# Altium PCB буектополгия.PcbDoc
Units mm, origin at the board's own origin, x right, y up, seen from the top; angles counter-clockwise.
Board outline 101.6 x 71.12 mm, 2 copper layers (Top Layer, Bottom Layer), stack 1.5 mm thick; 54 components, 28 nets, 227 pads, 42 vias.
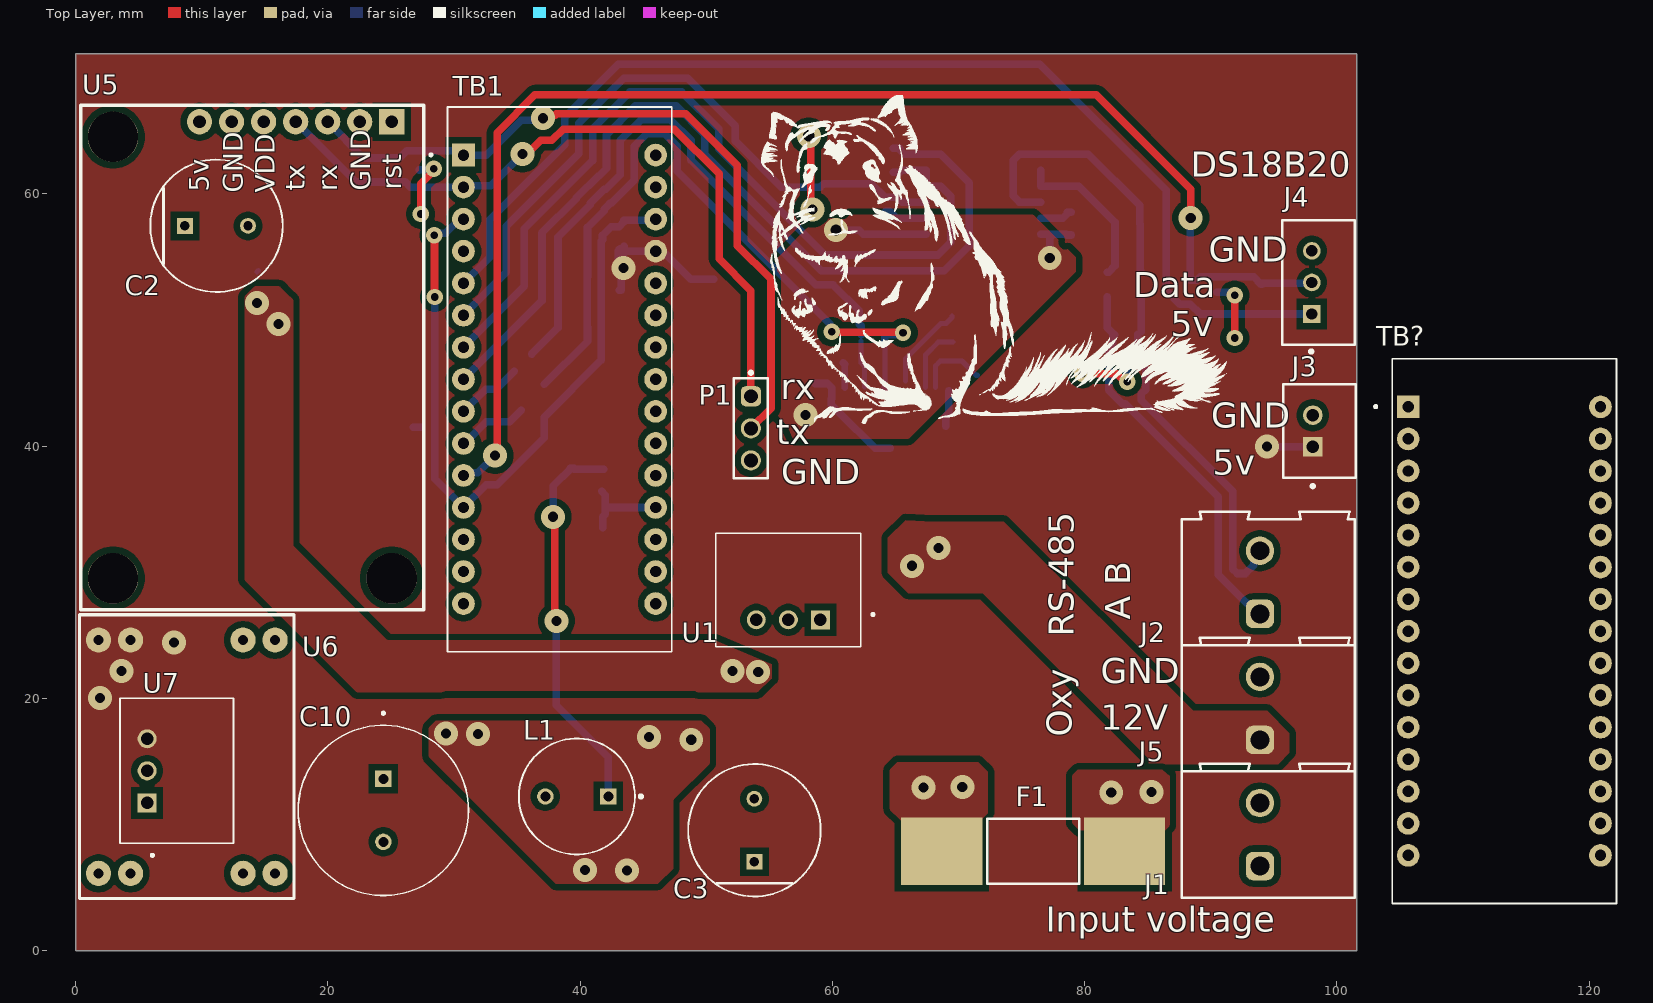
[diagram p0: Top Layer view]
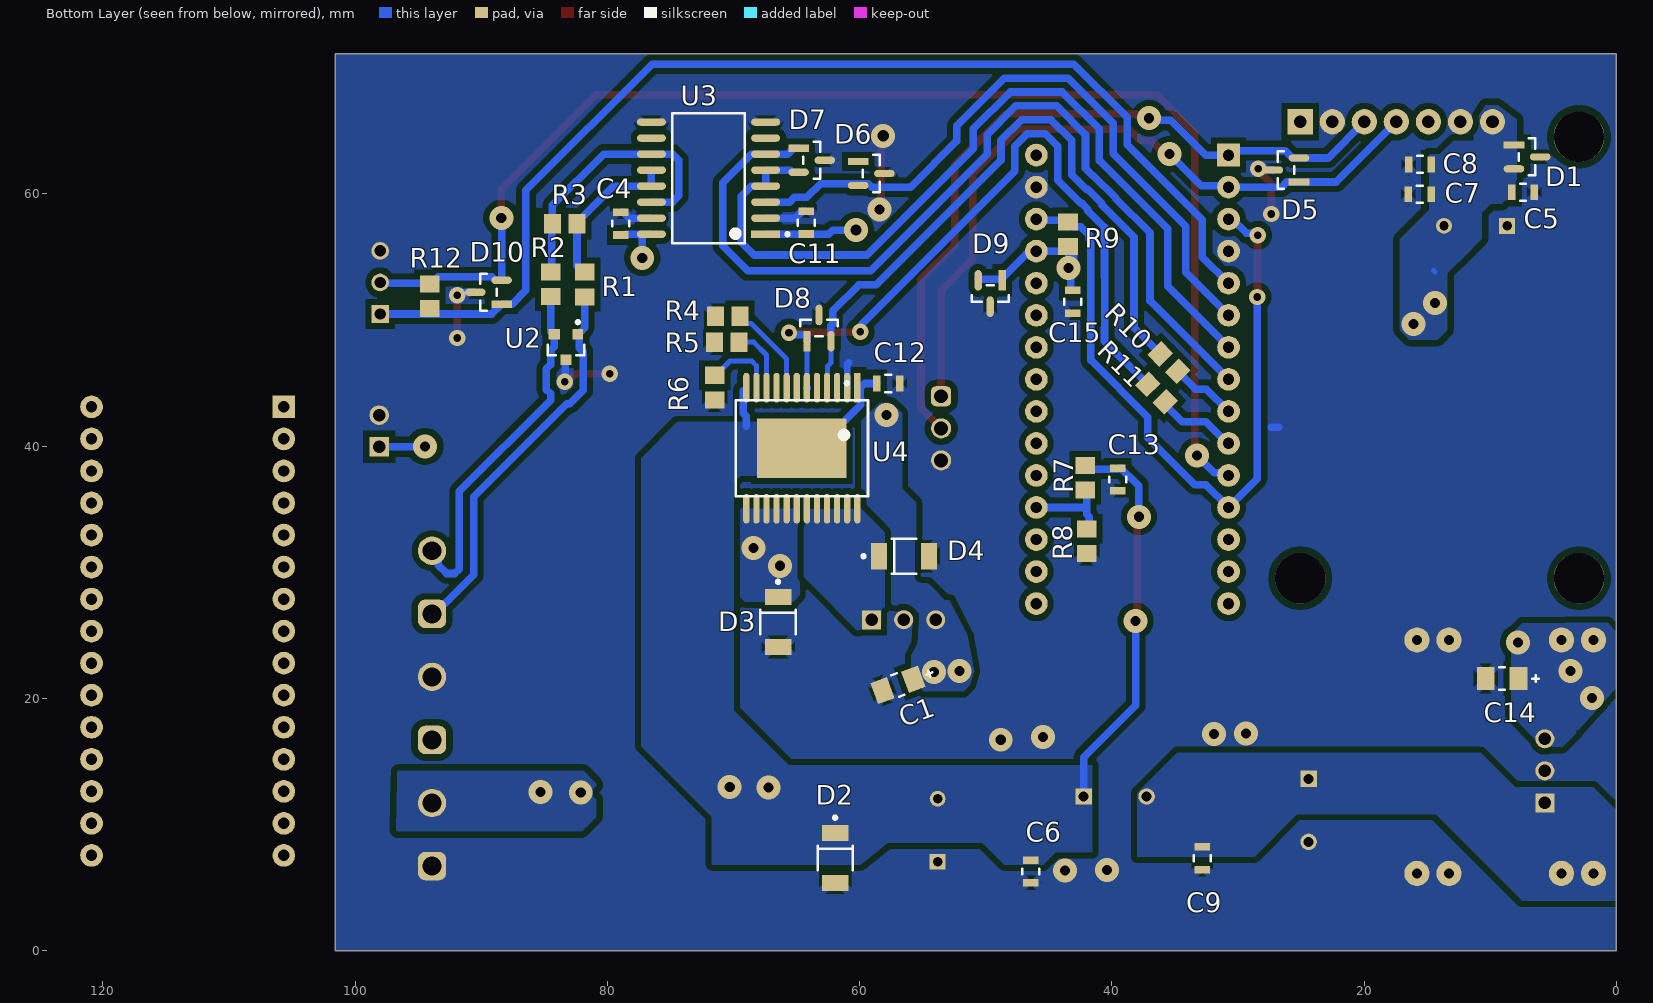
[diagram p1: Bottom Layer view, seen from below]

## Layer stack, top to bottom
Top Layer: signal copper 0.035
Dielectric 1: dielectric 1.43, FR-4, Dk 4.8
Bottom Layer: signal copper 0.035

## Board outline
0,0 0,71.12 101.6,71.12 101.6,0

## Design rules (kind name [scope] priority, off if disabled: settings)
Clearance Clearance_1 [InNetClass('хуй')] p1: gap=0.2 ignorepadtopadclearanceinfootprint=TRUE
Clearance [All] p2: gap=0.5 ignorepadtopadclearanceinfootprint=TRUE
PolygonConnect PolygonConnect_4 [InNet('GND')] p1: thpad.connectstyle=Direct thpad.reliefconductorwidth=0.254 thpad.reliefentries=4 thpad.polygonreliefangle="90 Angle" thpad.airgapwidth=0.254 smdpad.connectstyle=Relief smdpad.reliefconductorwidth=0.7 smdpad.reliefentries=4 smdpad.polygonreliefangle="45 Angle" smdpad.airgapwidth=0.254 via.connectstyle=Direct via.reliefconductorwidth=0.254 via.reliefentries=4 via.polygonreliefangle="90 Angle" via.airgapwidth=0.254
PolygonConnect PolygonConnect_3 [InNetClass('хуй2')] p2: connectstyle=Direct reliefconductorwidth=0.6 reliefentries=4 polygonreliefangle="45 Angle" airgapwidth=0.254
PolygonConnect PolygonConnect_1 [HasFootprint('PCBComponent_1')] p3: thpad.connectstyle=Direct thpad.reliefconductorwidth=0.254 thpad.reliefentries=4 thpad.polygonreliefangle="90 Angle" thpad.airgapwidth=0.254 smdpad.connectstyle=Relief smdpad.reliefconductorwidth=0.254 smdpad.reliefentries=4 smdpad.polygonreliefangle="45 Angle" smdpad.airgapwidth=0.254 via.connectstyle=Relief via.reliefconductorwidth=0.254 via.reliefentries=4 via.polygonreliefangle="45 Angle" via.airgapwidth=0.254
PolygonConnect [All] p4: connectstyle=Relief reliefconductorwidth=0.6 reliefentries=4 polygonreliefangle="90 Angle" airgapwidth=0.254
RoomDefinition хехема [InComponentClass('хехема')] p1: confinementstyle=ConfineIn formatcopy=TRUE lockcomponents=FALSE outline 102.743,1.422 122.58,1.422 122.58,49.86 102.743,49.86
RoutingVias [All] p1: holewidth=0.8 width=1.9 viastyle="Through Hole" minholewidth=0.6 minwidth=1.3 maxholewidth=1.2 maxwidth=2.5
SolderMaskExpansion [All] p1: expansion=0.102 istentingtop=FALSE
Width [All] p1: maxlimit=1 minlimit=0.4 preferedwidth=0.6
30 further rules are at their usual default settings.

## Classes and differential pairs
component class хехема: TB?

## Components (designator, comment, footprint, x,y, rotation, side; value= is the part's Value field where it differs from the comment)
C1 "TAJA226M006RNJ" FP-TAJA-MFG 56.972,21.057 r160 bottom
C2 "250PX33MEFC10X20" FP-250PX33MEFC10X20-MFG 11.176,57.455 r0 top
C3 "250PX33MEFC10X20" FP-250PX33MEFC10X20-MFG 53.823,9.536 r90 top
C4 "GRM21BR61C106KE15L" FP-GRM21B-0_1-MFG 78.943,57.633 r90 bottom
C5 "GRM21BR61C106KE15L" FP-GRM21B-0_1-MFG 7.417,60.122 r180 bottom
C6 "GRM21BR61C106KE15L" FP-GRM21B-0_1-MFG 46.431,6.274 r270 bottom
C7 "GRM21BR61C106KE15L" FP-GRM21B-0_1-MFG 15.596,59.969 r0 bottom
C8 "GRM21BR61C106KE15L" FP-GRM21B-0_1-MFG 15.581,62.332 r0 bottom
C9 "GRM21BR61C106KE15L" FP-GRM21B-0_1-MFG 32.842,7.315 r270 bottom
C10 "UBT1H331MHD8" CAPPRD500W60D1350H2200 24.409,11.114 r270 top value=680uF
C11 "GRM21BR61C106KE15L" FP-GRM21B-0_1-MFG 64.237,57.709 r90 bottom
C12 "GRM21BR61C106KE15L" FP-GRM21B-0_1-MFG 57.734,44.958 r180 bottom
C13 "GRM21BR61C106KE15L" FP-GRM21B-0_1-MFG 39.543,37.355 r270 bottom
C14 "TAJA226M006RNJ" FP-TAJA-MFG 9.068,21.565 r180 bottom
C15 "GRM21BR61C106KE15L" FP-GRM21B-0_1-MFG 43.104,51.435 r270 bottom
D1 "PESD5V2S2UT" FP-6_541-5014_01-4-IPC_A 7.09,62.926 r180 bottom value=35pF
D2 "SMAJ15A" FP-SMA-MFG 61.951,7.337 r270 bottom
D3 "SMAJ12A" FP-SMA-MFG 66.472,26.035 r270 bottom
D4 "SMAJ12A" FP-SMA-MFG 56.493,31.267 r180 bottom
D5 "PESD5V2S2UT" FP-6_541-5014_01-4-IPC_A 26.21,61.885 r0 bottom value=35pF
D6 "PESD5V2S2UT" FP-6_541-5014_01-4-IPC_A 59.083,61.605 r180 bottom value=35pF
D7 "PESD5V2S2UT" FP-6_541-5014_01-4-IPC_A 63.805,62.662 r180 bottom value=35pF
D8 "PESD5V2S2UT" FP-6_541-5014_01-4-IPC_A 63.221,49.352 r90 bottom value=35pF
D9 "PESD5V2S2UT" FP-6_541-5014_01-4-IPC_A 49.657,52.095 r270 bottom value=35pF
D10 "PESD5V2S2UT" FP-6_541-5014_01-4-IPC_A 89.433,52.197 r0 bottom value=35pF
F1 "021502.5MXP" LFUS-0215-20X5_L 75.921,7.874 r180 top
J1 "KSE-103-5.0-02P" 691211720002 94.556,9.198 r90 top
J2 "691211720002" 691211720002 94.556,29.198 r90 top
J3 "B2B-XH-A(LF)(SN)" FP-B2B-XH-A_LF_SN-MFG 98.62,41.193 r90 top
J4 "B3B-XH-A(LF)(SN)" FP-B3B-XH-A_LF_SN-MFG 98.544,52.97 r90 top
J5 "691211720002" 691211720002 94.556,19.198 r90 top
L1 "RLB0914-220KL" FP-RLB0914-MFG 39.751,12.217 r180 top
P1 "61300311121" 61300311121 53.543,41.402 r270 top
R1 "ERJ-6ENF1001V" RESC2013X70X40ML20T20 81.813,52.807 r90 bottom
R2 "ERJ-6ENF1001V" RESC2013X70X40ML20T20 84.48,52.832 r90 bottom
R3 "ERJ-6ENF1001V" RESC2013X70X40ML20T20 83.388,57.633 r180 bottom
R4 "ERJ-6ENF1001V" RESC2013X70X40ML20T20 70.469,50.292 r180 bottom
R5 "ERJ-6ENF1001V" RESC2013X70X40ML20T20 70.536,48.235 r180 bottom
R6 "ERJ-6ENF1001V" RESC2013X70X40ML20T20 71.501,44.638 r90 bottom
R7 "ERJ-6ENF1001V" RESC2013X70X40ML20T20 42.113,37.475 r90 bottom
R8 "ERJ-6ENF1001V" RESC2013X70X40ML20T20 42.012,32.461 r90 bottom
R9 "ERJ-6ENF1001V" RESC2013X70X40ML20T20 43.485,56.794 r270 bottom
R10 "ERJ-6ENF1001V" RESC2013X70X40ML20T20 35.484,46.609 r45 bottom
R11 "ERJ-6ENF1001V" RESC2013X70X40ML20T20 36.474,44.196 r45 bottom
R12 "ERJ-6ENF1001V" RESC2013X70X40ML20T20 94.082,51.867 r270 bottom
TB1 "ARDUINO_NANO" SHIELD_ARDUINO_NANO 38.379,45.288 r0 top
TB? "arduino_nano" arduino_nano 113.284,25.324 r0 top
U1 "P7805-500" CONV_P7805-500 56.515,28.575 r180 top
U2 "PSM712-LF-T7" PRKT-SOT23-3_V 83.287,47.854 r270 bottom
U3 "ADM2484EBRWZ-REEL7" FP-RW-16-IPC_B 71.984,61.239 r0 bottom
U4 "VND5050AKTR-E" FP-DB0024A-IPC_A 64.592,39.827 r270 bottom
U5 "sim800l" PCBComponent_1 25.072,29.516 r90 top
U6 "mp1584" "dcdc 12 - 5" 17.324,4.121 r90 top
U7 "P7805-500" CONV_P7805-500 8.026,14.249 r90 top

## Footprints (in the part's own frame and the unit in brackets; to place one, negate y for a bottom-side part, rotate by r counter-clockwise, add the part's x,y. Pads: shape width x height; smd on the part's side, far side on the other; paste and mask are expansions set on the pad)
61300311121 [mm] "Pin Header, pitch 2.54 mm, THT, Vertical, single row, 3p"
  rrect50% 1.6x1.6 hole 1.1: 1(-2.54,0)
  round 1.6 hole 1.1: 2(0,0) 3(2.54,0)
  silkscreen extent -4.53,-1.35 3.96,1.35, body extent -3.81,-1.27 3.81,1.27, height 8.57
691211720002 [mm] "5,00mm - modular - green -45Ўг entry with rising cage clamp - 02p"
  rrect50% 2.25x2.25 hole 1.5: 1(-2.5,0.65)
  round 2.25 hole 1.5: 2(2.5,0.65)
  silkscreen extent -5,-6.85 5.6,6.85, body extent -5,-6.85 5.6,6.85, height 15.72
arduino_nano [mm]
  rect 1.8x1.8 / inner round 1.8 / far side rect 1.8x1.8 hole 0.9: 1(-7.62,17.78)
  round 1.8 hole 0.9: 2(-7.62,15.24) 3(-7.62,12.7) 4(-7.62,10.16) 5(-7.62,7.62) 6(-7.62,5.08) 7(-7.62,2.54) 8(-7.62,0) 9(-7.62,-2.54) 10(-7.62,-5.08) 11(-7.62,-7.62) 12(-7.62,-10.16) 13(-7.62,-12.7) 14(-7.62,-15.24) 15(-7.62,-17.78) 16(7.62,-17.78) 17(7.62,-15.24) 18(7.62,-12.7) 19(7.62,-10.16) 20(7.62,-7.62) 21(7.62,-5.08) 22(7.62,-2.54) 23(7.62,0) 24(7.62,2.54) 25(7.62,5.08) 26(7.62,7.62) 27(7.62,10.16) 28(7.62,12.7) 29(7.62,15.24) 30(7.62,17.78)
  silkscreen extent -10.3,-21.59 8.89,21.59, body extent -8.89,-23.4 8.89,21.59, height 21.25
CAPPRD500W60D1350H2200 [mm]
  round 1.308 hole 0.8: N(2.5,0)
  rect 1.308x1.308 / inner round 1.308 / far side rect 1.308x1.308 hole 0.8: P(-2.5,0)
  silkscreen extent -7.8,-6.75 6.75,6.75, body extent -6.5,-6.25 6,6.25, height 22
CONV_P7805-500 [mm]
  rect 1.508x1.508 hole 1: 1(-2.54,2.35)
  round 1.508 hole 1: 2(0,2.35) 3(2.54,2.35)
  silkscreen extent -6.8,-4.5 5.75,4.5, body extent -5.72,-4.5 5.79,4.5, height 17.53
"dcdc 12 - 5" [mm] "mp1584"
  round 2 hole 0.8: 1(2,15.5) 1(2,12.96) 2(2,4.04) 2(2,1.5) 3(20.5,12.96) 3(20.5,15.5) 4(20.5,1.5) 4(20.5,4.04)
  silkscreen extent 0,0 22.5,17, body extent 0,0 22.5,17, height 10
FP-6_541-5014_01-4-IPC_A [mm]
  rect 1.633x0.572 smd paste+0 mask+0: 1(-1.038,0.95)
  rrect100% 1.633x0.572 smd paste+0 mask+0: 2(-1.038,-0.95) 3(1.038,0)
  silkscreen extent -0.66,-1.48 0.66,1.48, body extent -1.24,-1.48 1.24,1.48, height 1.15
FP-250PX33MEFC10X20-MFG [mm]
  rect 1.25x1.25 hole 0.75 paste-2539.97 mask+0: 1(-2.5,0)
  round 1.25 hole 0.75 paste-2539.97 mask+0: 2(2.5,0)
  silkscreen extent -5.25,-5.25 5.25,5.25, body extent -5.35,-5.35 5.35,5.35, height 0.25
FP-B2B-XH-A_LF_SN-MFG [mm]
  rect 1.55x1.55 hole 1 paste-2539.97 mask+0: 1(-1.25,0.525)
  round 1.55 hole 1 paste-2539.97 mask+0: 2(1.25,0.525)
  silkscreen extent -4.5,-2.88 3.7,2.88, body extent -3.8,-2.98 3.8,2.98, height 0.25
FP-B3B-XH-A_LF_SN-MFG [mm]
  rect 1.4x1.4 hole 0.9 paste-2539.97 mask+0: 1(-2.5,0.525)
  round 1.4 hole 0.9 paste-2539.97 mask+0: 2(0,0.525) 3(2.5,0.525)
  silkscreen extent -5.6,-2.88 4.95,2.88, body extent -5.05,-2.98 5.05,2.98, height 0.25
FP-DB0024A-IPC_A [mm]
  rect 2.353x0.495 smd paste+0 mask+0: 1(-4.8,4.4)
  rrect100% 2.353x0.495 smd paste+0 mask+0: 2(-4.8,3.6) 3(-4.8,2.8) 4(-4.8,2) 5(-4.8,1.2) 6(-4.8,0.4) 7(-4.8,-0.4) 8(-4.8,-1.2) 9(-4.8,-2) 10(-4.8,-2.8) 11(-4.8,-3.6) 12(-4.8,-4.4) 13(4.8,-4.4) 14(4.8,-3.6) 15(4.8,-2.8) 16(4.8,-2) 17(4.8,-1.2) 18(4.8,-0.4) 19(4.8,0.4) 20(4.8,1.2) 21(4.8,2) 22(4.8,2.8) 23(4.8,3.6) 24(4.8,4.4)
  rect 4.7x7.1 smd: 25(0,0)
  silkscreen extent -5.28,-5.25 3.8,5.25, body extent -3.9,-4.1 3.9,4.1, height 2
FP-GRM21B-0_1-MFG [mm]
  rect 0.6x1.25 smd paste+0 mask+0: 1(-0.9,0) 2(0.9,0)
  silkscreen extent -0.23,-0.67 0.23,0.67, body extent -1,-0.63 1,0.63, height 1.35
FP-RLB0914-MFG [mm]
  rect 1.3x1.3 hole 0.8 paste-2539.97 mask+0: 1(-2.5,0)
  round 1.3 hole 0.8 paste-2539.97 mask+0: 2(2.5,0)
  silkscreen extent -5.2,-4.6 4.6,4.6, body extent -4.7,-4.7 4.7,4.7, height 0.25
FP-RW-16-IPC_B [mm]
  rect 2.298x0.582 smd paste+0 mask+0: 1(-4.528,4.445)
  rrect100% 2.298x0.582 smd paste+0 mask+0: 2(-4.528,3.175) 3(-4.528,1.905) 4(-4.528,0.635) 5(-4.528,-0.635) 6(-4.528,-1.905) 7(-4.528,-3.175) 8(-4.528,-4.445) 9(4.528,-4.445) 10(4.528,-3.175) 11(4.528,-1.905) 12(4.528,-0.635) 13(4.528,0.635) 14(4.528,1.905) 15(4.528,3.175) 16(4.528,4.445)
  silkscreen extent -6.38,-5.15 2.88,5.15, body extent -5.18,-5.15 5.18,5.15, height 2.65
FP-SMA-MFG [mm]
  rect 1.27x2.1 smd paste+0 mask+0: 1(-1.985,0) 2(1.985,0)
  silkscreen extent -3.32,-1.4 0.97,1.4, body extent -2.61,-1.3 2.61,1.3, height 2.62
FP-TAJA-MFG [mm]
  rect 1.4x1.8 smd paste+0 mask+0: 1(-1.3,0) 2(1.3,0)
  silkscreen extent -0.23,-0.9 2.9,0.9, body extent -1.6,-0.8 1.6,0.8, height 1.8
LFUS-0215-20X5_L [mm] "MELF Resistor, 2-Leads, Body 20.5x5.3mm, IPC High Density"
  rect 6.45x5.35 smd: 1(-7.25,0) 2(7.25,0)
  silkscreen extent -3.65,-2.57 3.65,2.58, body extent -10,-2.58 10,2.58, height 5.15
PCBComponent_1 [mm]
  rect 2x2 hole 1: 1(36.195,0)
  round 2 hole 1: 2(36.195,2.54) 3(36.195,5.08) 4(36.195,7.62) 5(36.195,10.16) 6(36.195,12.7) 7(36.195,15.24)
  round 4 hole 4 unplated: 8(0,22.1) 8(0,0) 8(35,22.1)
  silkscreen extent -2.49,-2.54 37.51,24.66, body extent -2.54,-2.55 37.46,24.63, height 11
PRKT-SOT23-3_V [mm] "SOT23, 3-Leads, Body 2.92x1.3mm, Pitch 0.94mm"
  rect 0.84x0.84 smd: 1(-1,0.94) 3(1,0)
  rect 0.84x0.9 smd: 2(-1,-0.94)
  silkscreen extent -2.09,-1.46 0.65,1.46, body extent -0.65,-1.46 0.65,1.46, height 1.17
RESC2013X70X40ML20T20 [mm] "Chip Resistor, 2-Leads, Body 2.00x1.25mm, IPC Low Density"
  rect 1.35x1.55 smd: 1(-0.975,0) 2(0.975,0)
  body extent -1.1,-0.72 1.1,0.72, height 0.7
SHIELD_ARDUINO_NANO [mm]
  rect 1.8x1.8 / inner round 1.8 / far side rect 1.8x1.8 hole 0.9: 1(-7.62,17.78)
  round 1.8 hole 0.9: 2(-7.62,15.24) 3(-7.62,12.7) 4(-7.62,10.16) 5(-7.62,7.62) 6(-7.62,5.08) 7(-7.62,2.54) 8(-7.62,0) 9(-7.62,-2.54) 10(-7.62,-5.08) 11(-7.62,-7.62) 12(-7.62,-10.16) 13(-7.62,-12.7) 14(-7.62,-15.24) 15(-7.62,-17.78) 16(7.62,-17.78) 17(7.62,-15.24) 18(7.62,-12.7) 19(7.62,-10.16) 20(7.62,-7.62) 21(7.62,-5.08) 22(7.62,-2.54) 23(7.62,0) 24(7.62,2.54) 25(7.62,5.08) 26(7.62,7.62) 27(7.62,10.16) 28(7.62,12.7) 29(7.62,15.24) 30(7.62,17.78)
  silkscreen extent -10.3,-21.59 8.89,21.59, body extent -9,-21.6 9,23.4, height 12.6

## Part data
C1 C14: library part CMP-04424-000650-1, "22uF 6.3V  ±20% 3Ω 1206  SMD Tantalum Capacitor", Capacitance=22uF, Case Code (Imperial)=1206, Case Code (Metric)=3216, ESR (Equivalent Series Resistance)=3R, Leakage Current=1.4uA, Max Operating Temperature=125°C, Min Operating Temperature=-55°C, Package Quantity=1, TOLERANCE=20%, Voltage Rating=6.3V, Case/Package=1206, Construction=Flat, Depth=1.6mm, Dissipation Factor=6%, Features="General Purpose", Height=1.8mm, Height - Seated (Max)=0.071inch, Lead Free="Lead Free", Length=3.2mm, Mount="Surface Mount", Number of Pins=2, Packaging="Tape and Reel", Polarity=Polar, Radiation Hardening=No, REACH SVHC="No SVHC", RoHS Compliant=Yes, Series=TAJ, Termination=SMD/SMT, Voltage Rating (DC)=6.3V, Width=1.6mm
C2: library part CMP-01474-19991556-1, "250PX33MEFC10X20 Radial Can ALUMINUM ELECTROLYTIC CAPACITOR PX 250V 33muF ±20% 0.394Dia 10.00mm", Capacitance=2200uF, Case/Package=Radial, Max Operating Temperature=105°C, Min Operating Temperature=-40°C, Ripple Current=140mA, TOLERANCE=20%, Voltage Rating=250V, Diameter=10mm, Dissipation Factor=20%, Height=20mm, Height - Seated (Max)=21.9964mm, Lead Pitch=5.0038mm, Length=63.5mm, Life (Hours)=2000hours, Mount="Through Hole", NexarPartId=19991556, Number of Pins=2, REACH SVHC="No SVHC", Ripple Current (AC)=140mA, RoHS=Compliant, Voltage Rating (DC)=250V, Weight=4.717361g, Width=19.05mm
C3: library part CMP-01474-19991556-1, "250PX33MEFC10X20 Radial Can ALUMINUM ELECTROLYTIC CAPACITOR PX 250V 33muF ±20% 0.394Dia 10.00mm", Capacitance=100uF, Case/Package=Radial, Max Operating Temperature=105°C, Min Operating Temperature=-40°C, Ripple Current=140mA, TOLERANCE=20%, Voltage Rating=250V, Diameter=10mm, Dissipation Factor=20%, Height=20mm, Height - Seated (Max)=21.9964mm, Lead Pitch=5.0038mm, Length=63.5mm, Life (Hours)=2000hours, Mount="Through Hole", NexarPartId=19991556, Number of Pins=2, REACH SVHC="No SVHC", Ripple Current (AC)=140mA, RoHS=Compliant, Voltage Rating (DC)=250V, Weight=4.717361g, Width=19.05mm
C4 C5 C11 C12 C15: library part CMP-2007-03453-2, "Chip Multilayer Ceramic Capacitors for General Purpose, 0805, 0.1uF, X5R, 15%, 10%, 16V", Capacitance=0.1uF, Case Code (Imperial)=0805, Case Code (Metric)=2012, Dielectric=X5R, Max Operating Temperature=85°C, Min Operating Temperature=-55°C, Package Quantity=1, TOLERANCE=10%, Voltage=16V, Case/Package=0805, Depth=1.25mm, Height=1.25mm, Lead Free="Lead Free", Length=2mm, Material=Ceramic, Mount="Surface Mount", Packaging="Tape and Reel", Radiation Hardening=No, REACH SVHC="No SVHC", Termination=SMD/SMT, Thickness=0.053inch, Voltage Rating=16V, Voltage Rating (DC)=16V, Width=1.25mm
C6 C9: library part CMP-2007-03453-2, "Chip Multilayer Ceramic Capacitors for General Purpose, 0805, 10uF, X5R, 15%, 10%, 16V", Capacitance=10uF, Case Code (Imperial)=0805, Case Code (Metric)=2012, Dielectric=X5R, Max Operating Temperature=85°C, Min Operating Temperature=-55°C, Package Quantity=1, TOLERANCE=10%, Voltage=16V, Case/Package=0805, Depth=1.25mm, Height=1.25mm, Lead Free="Lead Free", Length=2mm, Material=Ceramic, Mount="Surface Mount", Packaging="Tape and Reel", Radiation Hardening=No, REACH SVHC="No SVHC", Termination=SMD/SMT, Thickness=0.053inch, Voltage Rating=16V, Voltage Rating (DC)=16V, Width=1.25mm
C7: library part CMP-2007-03453-2, "Chip Multilayer Ceramic Capacitors for General Purpose, 0805, 10uF, X5R, 15%, 10%, 16V", Capacitance=10pF, Case Code (Imperial)=0805, Case Code (Metric)=2012, Dielectric=X5R, Max Operating Temperature=85°C, Min Operating Temperature=-55°C, Package Quantity=1, TOLERANCE=10%, Voltage=16V, Case/Package=0805, Depth=1.25mm, Height=1.25mm, Lead Free="Lead Free", Length=2mm, Material=Ceramic, Mount="Surface Mount", Packaging="Tape and Reel", Radiation Hardening=No, REACH SVHC="No SVHC", Termination=SMD/SMT, Thickness=0.053inch, Voltage Rating=16V, Voltage Rating (DC)=16V, Width=1.25mm
C8: library part CMP-2007-03453-2, "Chip Multilayer Ceramic Capacitors for General Purpose, 0805, 10uF, X5R, 15%, 10%, 16V", Capacitance=33pF, Case Code (Imperial)=0805, Case Code (Metric)=2012, Dielectric=X5R, Max Operating Temperature=85°C, Min Operating Temperature=-55°C, Package Quantity=1, TOLERANCE=10%, Voltage=16V, Case/Package=0805, Depth=1.25mm, Height=1.25mm, Lead Free="Lead Free", Length=2mm, Material=Ceramic, Mount="Surface Mount", Packaging="Tape and Reel", Radiation Hardening=No, REACH SVHC="No SVHC", Termination=SMD/SMT, Thickness=0.053inch, Voltage Rating=16V, Voltage Rating (DC)=16V, Width=1.25mm
C10: "330 ÂµF 50 V Aluminum Electrolytic Capacitors Radial, Can - 10000 Hrs @ 125Â°C", Package="Radial Nichicon", Availability="In Stock", Check_prices=https://www.snapeda.com/parts/UBT1H331MHD8/Nichicon/view-part/?ref=eda, MF=Nichicon, MP=UBT1H331MHD8, PRICE=None, Purchase-URL=https://pricing.snapeda.com/search/part/UBT1H331MHD8/?ref=eda, SnapEDA_Link=https://www.snapeda.com/parts/UBT1H331MHD8/Nichicon/view-part/?ref=snap
C13: library part CMP-2007-03453-2, "Chip Multilayer Ceramic Capacitors for General Purpose, 0805, 10uF, X5R, 15%, 10%, 16V", Capacitance=1uF, Case Code (Imperial)=0805, Case Code (Metric)=2012, Dielectric=X5R, Max Operating Temperature=85°C, Min Operating Temperature=-55°C, Package Quantity=1, TOLERANCE=10%, Voltage=16V, Case/Package=0805, Depth=1.25mm, Height=1.25mm, Lead Free="Lead Free", Length=2mm, Material=Ceramic, Mount="Surface Mount", Packaging="Tape and Reel", Radiation Hardening=No, REACH SVHC="No SVHC", Termination=SMD/SMT, Thickness=0.053inch, Voltage Rating=16V, Voltage Rating (DC)=16V, Width=1.25mm
D1 D5 D6 D7 D8 D9 D10: library part CMP-02577-000002-1, "TVS DIODE 5V  SOT23-3", Breakdown Voltage=16.5V, Capacitance=35pF, Clamping Voltage=24.8V, Manufacturer=Vishay, Manufacturer Part Number=GSOT15C-E3-08, Max Junction Temp=+150°C, Package=6.541-5014.01-4, Peak Pulse Current=8A, Peak Pulse Power=345W, Reverse Standoff Voltage=15V, Temperature="-55°C to +150°C", Temperature Range Low=-55°C, Automotive=Yes, Automotive Grade="Grade 0", Category=Diode, ComponentLink2Description=Datasheet, ComponentLink2URL=http://www.vishay.com/docs/85824/gsot03c.pdf, Device Class L1="Circuit Protection", Device Class L2="TVS Diodes", Device Class L3=unset, Digikey Description="TVS DIODE 15V 28.8V SOT23-3", Direction=Unidirectional, Height=1.15mm, Lead Free=Yes, Mouser Description="GSOT15C Series 12.3 V 120 pF SMT Bi-Directional ESD Protection Diode - SOT-23", Number of Channels=2, Octopart=https://octopart.com/gsot15c-e3-08-vishay-46467627, RoHS=TRUE, Temperature Range High=+150°C
D2: library part CMP-07401-000026-1, "TVS DIODE 15V 24.4V SMA", Breakdown Voltage=16.7V, Clamping Voltage=24.4V, Manufacturer="Bourns Inc.", Max Junction Temp=+150°C, Package=SMA, Peak Pulse Current=16.4A, Peak Pulse Power=400W, Reverse Standoff Voltage=15V, Temperature="-55°C to +150°C", Temperature Range Low=-55°C, Automotive=No, Category=Diode, ComponentLink2Description=Datasheet, ComponentLink2URL=https://www.bourns.com/docs/Product-Datasheets/SMAJ.pdf, Device Class L1="Circuit Protection", Device Class L2="TVS Diodes", Device Class L3=unset, Digikey Description="TVS DIODE 15V 24.4V SMA", Direction=Unidirectional, Height=2.29mm, Lead Free=Yes, Manufacturer Part Number=SMAJ15A, Mouser Description="Bourns Smaj15a / Diode Tvs 15v 400w Uni 5% Smd Bourns", Number of Channels=1, Octopart=https://octopart.com/smaj15a-bourns-12809353, RoHS=TRUE, Temperature Range High=+150°C